# Altium PCB VALVEBOARD_Kun.PcbDoc (part 7 of 13) (continued)
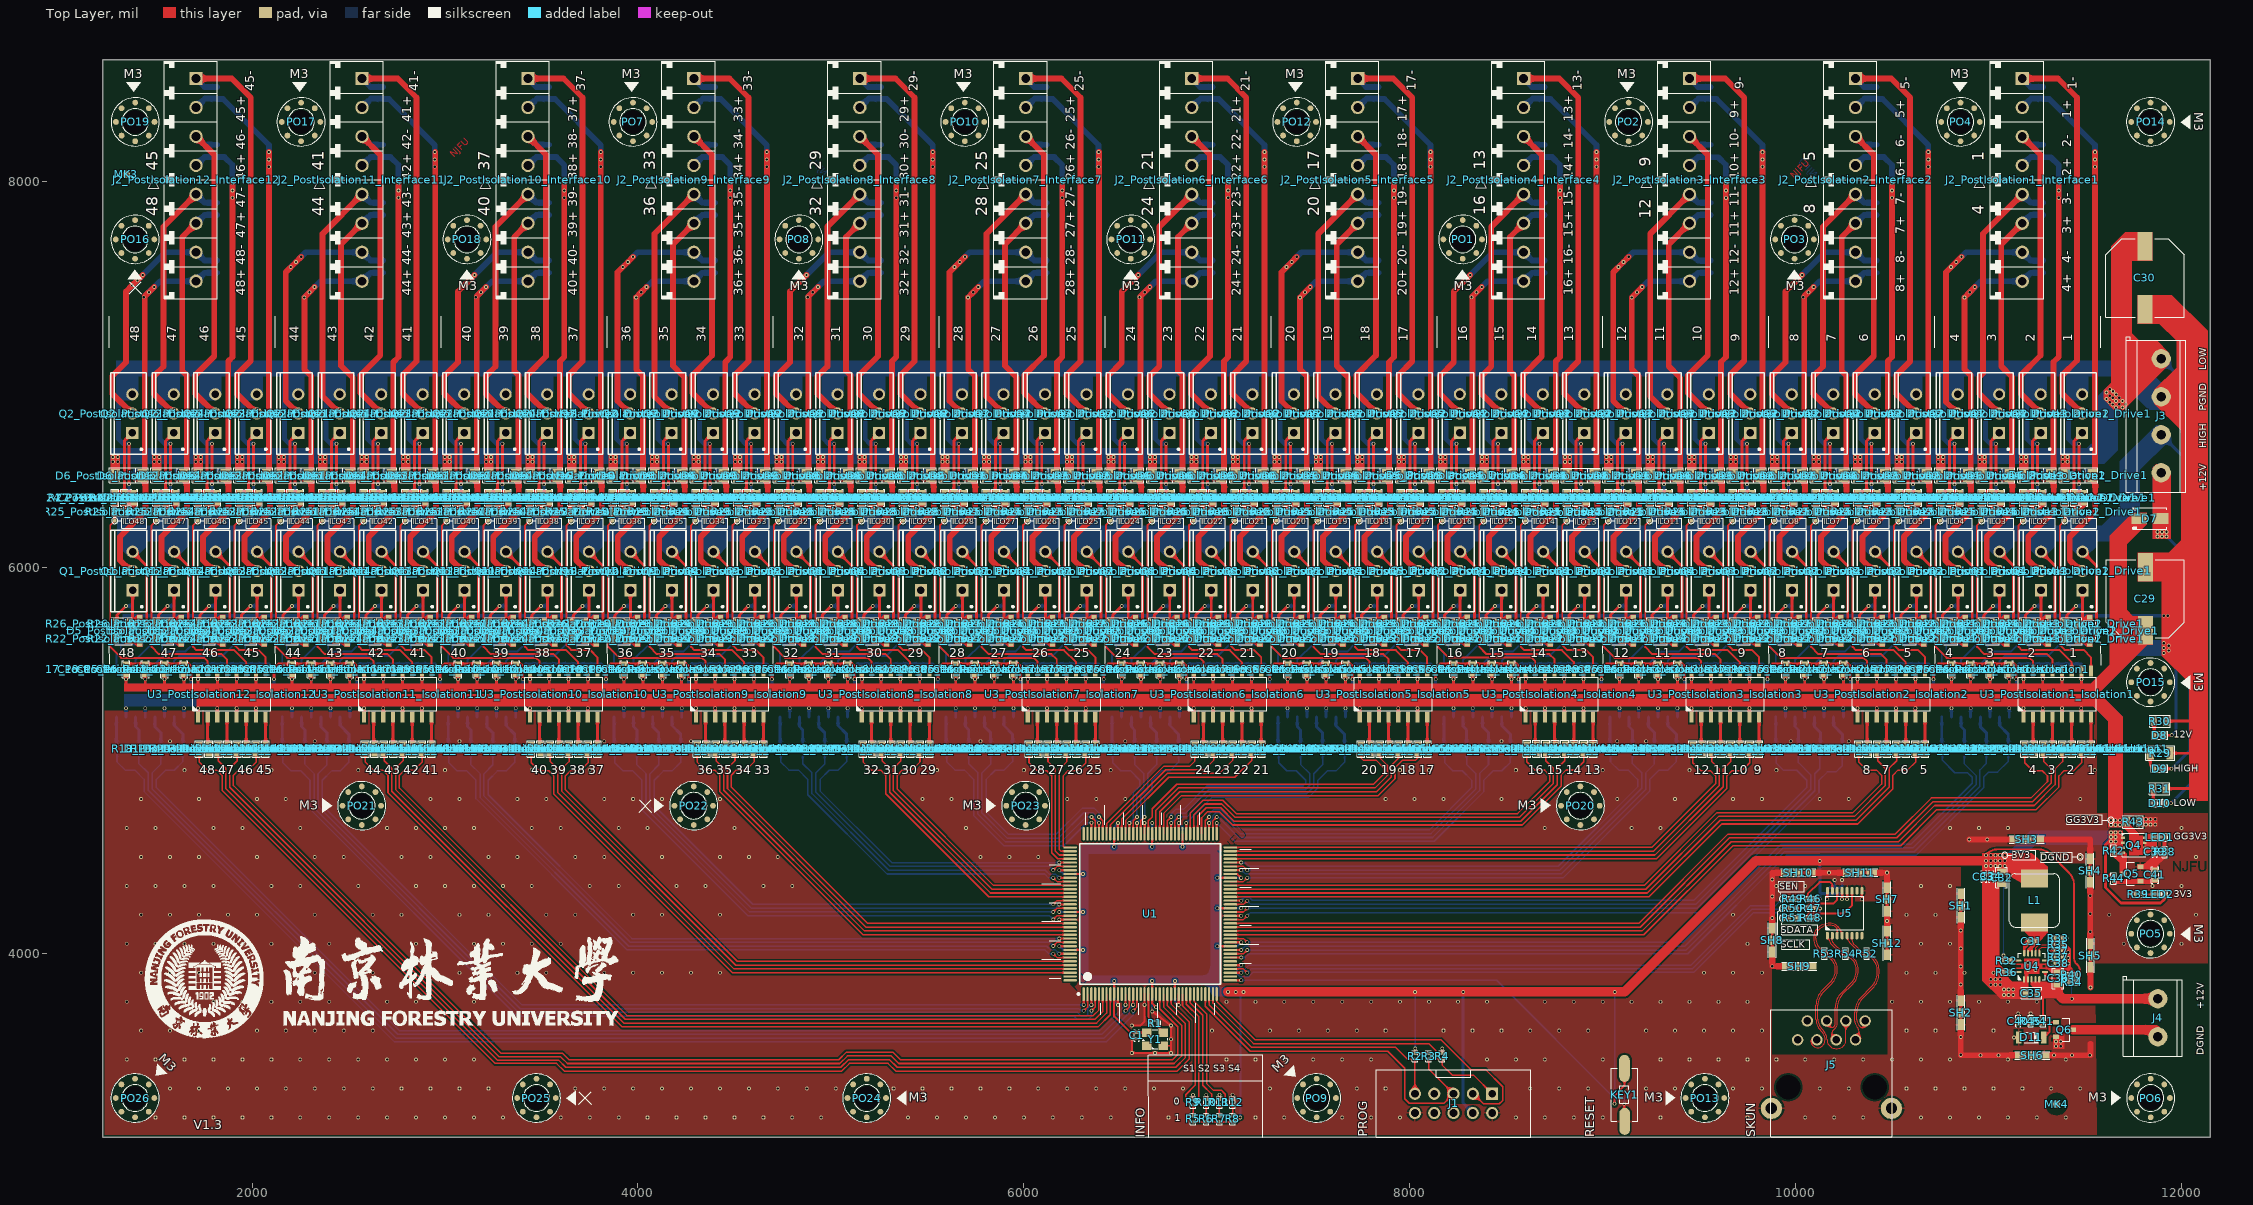
[diagram p0: Top Layer view]
## Nets (pads, with @x,y where several pads share a name; then routed paths per layer and width w, separated by ;. In a path a pad name is that pad's centre, name@x,y a point inside that pad or via, vN(x,y) a via of type N, cw(c..) or ccw(c..) an arc to the next point about the centre after c; other vN are vias at no path point) (continued)
LO2_1: R20_PostIsolation1_Isolation1.1 U1.50 | length 4759.1
  Top Layer w8: U1.50@7070.35,4116.42 9203.09,4116.42 9665.98,4579.3 10532.74,4579.3 10720.08,4766.64 11236.31,4766.64 11344.57,4874.9 11344.57,4955.91 11383.48,4994.81 R20_PostIsolation1_Isolation1.1@11383.48,5029.49
LO2_2: R20_PostIsolation2_Isolation2.1 U1.60 | length 3829.3
  Top Layer w8: U1.60@7070.35,4313.27 9231.52,4313.27 9608.74,4690.49 10313.43,4690.49 10484.48,4861.55 10484.48,4959.9 10523.39,4998.81 R20_PostIsolation2_Isolation2.1@10523.39,5033.49
LO2_3: R20_PostIsolation3_Isolation3.1 U1.70 | length 2882.4
  Top Layer w8: U1.70@7070.35,4510.12 9270.8,4510.12 9624.39,4863.71 9624.39,4955.93 9663.3,4994.83 R20_PostIsolation3_Isolation3.1@9663.3,5029.51
LO2_4: R20_PostIsolation4_Isolation4.1 U1.78 | length 2254.7
  Top Layer w8: U1.78@6901.06,4620.35 6901.06,4710.6 6945.27,4754.81 7020.13,4754.81 7089.62,4685.32 8575.35,4685.32 8764.42,4874.38 8764.42,4960.33 8803.32,4999.24 R20_PostIsolation4_Isolation4.1@8803.32,5033.91
LO2_5: R20_PostIsolation5_Isolation5.1 U1.88 | length 1522.9
  Top Layer w8: U1.88@6704.21,4620.35 6704.21,4733.93 6808.34,4838.06 7828.18,4838.06 7903.93,4913.82 7903.93,4974.45 7942.65,5013.17 R20_PostIsolation5_Isolation5.1@7942.65,5032.85
LO2_6: R20_PostIsolation6_Isolation6.1 U1.98 | length 809.1
  Top Layer w8: U1.98@6507.36,4620.35 6507.36,4697.35 6742.8,4932.79 7013.54,4932.79 7083.43,5002.68 R20_PostIsolation6_Isolation6.1@7083.43,5032.29
LO2_7: R20_PostIsolation7_Isolation7.1 U1.110 | length 567.3
  Top Layer w8: R20_PostIsolation7_Isolation7.1@6223.11,5029.49 6223.11,4994.81 6183.49,4955.2 6183.49,4538.17 6191.86,4529.8 U1.110@6239.65,4529.8
LO2_8: R20_PostIsolation8_Isolation8.1 U1.120 | length 1332.9
  Top Layer w8: R20_PostIsolation8_Isolation8.1@5363.08,5033.47 5363.08,4998.79 5324.17,4959.88 5324.17,4843.7 5834.92,4332.95 U1.120@6239.65,4332.95
LO2_9: R20_PostIsolation9_Isolation9.1 U1.130 | length 2268.2
  Top Layer w8: R20_PostIsolation9_Isolation9.1@4503.02,5033.47 4503.02,4998.79 4464.11,4959.88 4464.11,4854.47 5182.48,4136.1 U1.130@6239.65,4136.1
LO2_10: R20_PostIsolation10_Isolation10.1 U1.140 | length 3213.4
  Top Layer w8: R20_PostIsolation10_Isolation10.1@3642.92,5029.49 3642.92,4994.81 3604.02,4955.91 3604.02,4841.61 4506.38,3939.25 U1.140@6239.65,3939.25
LO2_11: R20_PostIsolation11_Isolation11.1 U1.6 | length 4465.9
  Top Layer w8: R20_PostIsolation11_Isolation11.1@2782.9,5033.47 2782.9,4998.79 2743.99,4959.89 2743.99,4849.1 3934.55,3658.53 6368.4,3658.53 6408.94,3699.07 U1.6@6408.94,3789.65
LO2_12: R20_PostIsolation12_Isolation12.1 U1.22 | length 6123.8
  Top Layer w8: R20_PostIsolation12_Isolation12.1@1922.84,5033.47 1922.84,4998.79 1883.93,4959.89 1883.93,4861.65 3280.42,3465.16 3598.48,3465.16 3634.14,3429.5 5046.03,3429.5 5085.61,3469.07 5312.47,3469.07 5352.05,3429.5 6778.64,3429.5 6817.67,3468.53 6817.67,3627.94 6723.9,3721.71 U1.22@6723.9,3789.65
LO3_1: R19_PostIsolation1_Isolation1.1 U1.51 | length 4729.6
  Top Layer w8: U1.51@7070.35,4136.1 9194.94,4136.1 9657.82,4598.99 10524.59,4598.99 10711.93,4786.33 11228.16,4786.33 11324.89,4883.05 11324.89,4955.48 11285.55,4994.81 R19_PostIsolation1_Isolation1.1@11285.55,5029.49 ; R19_PostIsolation1_Isolation1.1@11283.18,5030.18 R19_PostIsolation1_Isolation1.1@11285.29,5032.29
LO3_2: R19_PostIsolation2_Isolation2.1 U1.61 | length 3796.9
  Top Layer w8: U1.61@7070.35,4332.95 9223.36,4332.95 9600.58,4710.17 10305.27,4710.17 10464.8,4869.7 10464.8,4959.48 10425.46,4998.81 R19_PostIsolation2_Isolation2.1@10425.46,5033.49
LO3_3: R19_PostIsolation3_Isolation3.1 U1.71 | length 2850
  Top Layer w8: U1.71@7070.35,4529.8 9262.64,4529.8 9604.7,4871.86 9604.7,4955.5 9565.37,4994.83 R19_PostIsolation3_Isolation3.1@9565.37,5029.51
LO3_4: R19_PostIsolation4_Isolation4.1 U1.79 | length 2254.8
  Top Layer w8: U1.79@6881.38,4620.35 6881.38,4718.75 6937.12,4774.49 7025.53,4774.49 7095.02,4705 8567.2,4705 8744.73,4882.54 8744.73,4959.9 8705.4,4999.24 R19_PostIsolation4_Isolation4.1@8705.4,5033.91
LO3_5: R19_PostIsolation5_Isolation5.1 U1.89 | length 1523.1
  Top Layer w8: U1.89@6684.53,4620.35 6684.53,4742.09 6800.19,4857.75 7820.02,4857.75 7884.67,4922.4 7884.67,4974.45 7845.95,5013.17 R19_PostIsolation5_Isolation5.1@7845.95,5032.85
LO3_6: R19_PostIsolation6_Isolation6.1 U1.101 | length 751.1
  Top Layer w8: U1.101@6448.31,4620.35 6448.31,4665.41 6734.86,4951.96 6934.43,4951.96 6984.98,5002.51 R19_PostIsolation6_Isolation6.1@6984.98,5032.29
LO3_7: R19_PostIsolation7_Isolation7.1 U1.111 | length 599.6
  Top Layer w8: R19_PostIsolation7_Isolation7.1@6125.18,5029.49 6125.18,4994.81 6163.81,4956.19 6163.81,4530.01 6183.7,4510.12 U1.111@6239.65,4510.12
LO3_8: R19_PostIsolation8_Isolation8.1 U1.121 | length 1365.7
  Top Layer w8: R19_PostIsolation8_Isolation8.1@5265.15,5033.47 5265.15,4998.79 5304.49,4959.46 5304.49,4835.55 5826.77,4313.27 U1.121@6239.65,4313.27
LO3_9: R19_PostIsolation9_Isolation9.1 U1.131 | length 2301
  Top Layer w8: R19_PostIsolation9_Isolation9.1@4405.09,5033.47 4405.09,4998.79 4444.43,4959.46 4444.43,4846.31 5174.32,4116.42 U1.131@6239.65,4116.42
LO3_10: R19_PostIsolation10_Isolation10.1 U1.141 | length 3246.2
  Top Layer w8: R19_PostIsolation10_Isolation10.1@3545,5029.49 3545,4994.81 3584.33,4955.48 3584.33,4833.46 4498.23,3919.57 U1.141@6239.65,3919.57
LO3_11: R19_PostIsolation11_Isolation11.1 U1.7 | length 4531.4
  Top Layer w8: R19_PostIsolation11_Isolation11.1@2684.97,5033.47 2684.97,4998.79 2724.31,4959.46 2724.31,4840.94 3926.4,3638.85 6376.55,3638.85 6428.62,3690.92 U1.7@6428.62,3789.65
LO3_12: R19_PostIsolation12_Isolation12.1 U1.23 | length 6189.2
  Top Layer w8: R19_PostIsolation12_Isolation12.1@1824.91,5033.47 1824.91,4998.79 1864.25,4959.46 1864.25,4853.49 3270.31,3447.43 3588.37,3447.43 3625.99,3409.81 5051.41,3409.81 5090.99,3449.39 5304.32,3449.39 5343.9,3409.81 6786.79,3409.81 6837.36,3460.37 6837.36,3636.09 6743.58,3729.87 U1.23@6743.58,3789.65
LO4_1: R18_PostIsolation1_Isolation1.1 U1.52 | length 4754.5
  Top Layer w8: U1.52@7070.35,4155.79 9186.78,4155.79 9649.67,4618.67 10516.43,4618.67 10703.77,4806.01 11220.01,4806.01 11305.2,4891.21 11305.2,4919.68 11278.58,4946.3 11229.23,4946.3 11186.94,4988.59 R18_PostIsolation1_Isolation1.1@11186.94,5028.31
LO4_2: R18_PostIsolation2_Isolation2.1 U1.62 | length 3824.7
  Top Layer w8: U1.62@7070.35,4352.64 9215.21,4352.64 9592.43,4729.86 10297.12,4729.86 10445.11,4877.85 10445.11,4923.68 10418.49,4950.3 10369.15,4950.3 10326.85,4992.59 R18_PostIsolation2_Isolation2.1@10326.85,5032.31
LO4_3: R18_PostIsolation3_Isolation3.1 U1.72 | length 2877.8
  Top Layer w8: U1.72@7070.35,4549.49 9254.49,4549.49 9585.02,4880.02 9585.02,4919.7 9558.4,4946.32 9509.05,4946.32 9466.76,4988.61 R18_PostIsolation3_Isolation3.1@9466.76,5028.33
LO4_4: R18_PostIsolation4_Isolation4.1 U1.80 | length 2315.3
  Top Layer w8: U1.80@6861.69,4620.35 6861.69,4726.91 6928.97,4794.18 7031.03,4794.18 7100.52,4724.69 8559.04,4724.69 8725.05,4890.69 8725.05,4924.1 8698.43,4950.72 8649.08,4950.72 8606.79,4993.02 R18_PostIsolation4_Isolation4.1@8606.79,5032.74
LO4_5: R18_PostIsolation5_Isolation5.1 U1.91 | length 1602.2
  Top Layer w8: U1.91@6645.16,4620.35 6645.16,4687.8 6664.83,4707.46 6664.83,4750.25 6792.03,4877.45 7811.86,4877.45 7864.99,4930.57 7864.99,4962.31 7827.03,5000.26 7760.06,5000.26 7747.16,5013.17 R18_PostIsolation5_Isolation5.1@7747.16,5031.86
LO4_6: R18_PostIsolation6_Isolation6.1 U1.102 | length 679.8
  Top Layer w8: U1.102@6428.62,4620.35 6428.62,4672.6 6469.18,4713.16 6726.98,4970.96 6860.43,4970.96 6886.66,4997.2 R18_PostIsolation6_Isolation6.1@6886.66,5032.29
LO4_7: R18_PostIsolation7_Isolation7.1 U1.112 | length 692.6
  Top Layer w8: R18_PostIsolation7_Isolation7.1@6026.57,5028.31 6026.57,4988.59 6068.86,4946.3 6118.21,4946.3 6144.12,4920.39 6144.12,4521.86 6175.55,4490.43 U1.112@6239.65,4490.43
LO4_8: R18_PostIsolation8_Isolation8.1 U1.122 | length 1458.7
  Top Layer w8: R18_PostIsolation8_Isolation8.1@5166.54,5032.29 5166.54,4992.57 5208.84,4950.28 5258.18,4950.28 5284.8,4923.66 5284.8,4827.4 5818.62,4293.58 U1.122@6239.65,4293.58
LO4_9: R18_PostIsolation9_Isolation9.1 U1.132 | length 2394
  Top Layer w8: R18_PostIsolation9_Isolation9.1@4306.48,5032.29 4306.48,4992.57 4348.78,4950.28 4398.12,4950.28 4424.74,4923.66 4424.74,4838.16 5166.17,4096.73 U1.132@6239.65,4096.73
LO4_10: R18_PostIsolation10_Isolation10.1 U1.142 | length 3339.2
  Top Layer w8: R18_PostIsolation10_Isolation10.1@3446.39,5028.31 3446.39,4988.59 3488.68,4946.3 3538.03,4946.3 3564.65,4919.68 3564.65,4825.31 4490.07,3899.88 U1.142@6239.65,3899.88
LO4_11: R18_PostIsolation11_Isolation11.1 U1.8 | length 4657
  Top Layer w8: R18_PostIsolation11_Isolation11.1@2586.36,5032.29 2586.36,4992.57 2628.65,4950.28 2678,4950.28 2704.62,4923.66 2704.62,4832.79 3918.25,3619.16 6384.7,3619.16 6448.31,3682.77 U1.8@6448.31,3789.65
LO4_12: R18_PostIsolation12_Isolation12.1 U1.24 | length 6314.9
  Top Layer w8: R18_PostIsolation12_Isolation12.1@1726.3,5032.29 1726.3,4992.57 1768.59,4950.28 1817.94,4950.28 1844.56,4923.66 1844.56,4845.34 3260.2,3429.7 3578.26,3429.7 3617.83,3390.13 5056.8,3390.13 5096.38,3429.7 5296.16,3429.7 5335.74,3390.13 6794.95,3390.13 6857.04,3452.22 6857.04,3644.24 6763.27,3738.02 U1.24@6763.27,3789.65
NetC27_PostIsolation1_Drive1_2: C27_PostIsolation1_Drive1.2 Q2_PostIsolation1_Drive1.1 R24_PostIsolation1_Drive1.2 R27_PostIsolation1_Drive1.2 | length 355.4
  Top Layer w15: R27_PostIsolation1_Drive1.2@11442.54,6386.11 11442.54,6655.54 Q2_PostIsolation1_Drive1.1@11484.95,6697.95 ; 11469.55,6393.71 11489.43,6393.71 C27_PostIsolation1_Drive1.2@11493.74,6389.4
NetC27_PostIsolation1_Drive2_2: C27_PostIsolation1_Drive2.2 Q2_PostIsolation1_Drive2.1 R24_PostIsolation1_Drive2.2 R27_PostIsolation1_Drive2.2 | length 355.4
  Top Layer w15: R27_PostIsolation1_Drive2.2@11227.53,6385.98 11227.53,6655.41 Q2_PostIsolation1_Drive2.1@11269.94,6697.82 ; 11254.55,6393.58 11274.42,6393.58 C27_PostIsolation1_Drive2.2@11278.73,6389.27
NetC27_PostIsolation1_Drive3_2: C27_PostIsolation1_Drive3.2 Q2_PostIsolation1_Drive3.1 R24_PostIsolation1_Drive3.2 R27_PostIsolation1_Drive3.2 | length 355.4
  Top Layer w15: R27_PostIsolation1_Drive3.2@11012.38,6385.98 11012.38,6655.41 Q2_PostIsolation1_Drive3.1@11054.79,6697.82 ; 11039.4,6393.58 11059.27,6393.58 C27_PostIsolation1_Drive3.2@11063.58,6389.27
NetC27_PostIsolation1_Drive4_2: C27_PostIsolation1_Drive4.2 Q2_PostIsolation1_Drive4.1 R24_PostIsolation1_Drive4.2 R27_PostIsolation1_Drive4.2 | length 355.4
  Top Layer w15: R27_PostIsolation1_Drive4.2@10797.6,6385.98 10797.6,6655.41 Q2_PostIsolation1_Drive4.1@10840.01,6697.82 ; 10824.62,6393.58 10844.49,6393.58 C27_PostIsolation1_Drive4.2@10848.8,6389.27
NetC27_PostIsolation2_Drive1_2: C27_PostIsolation2_Drive1.2 Q2_PostIsolation2_Drive1.1 R24_PostIsolation2_Drive1.2 R27_PostIsolation2_Drive1.2 | length 355.4
  Top Layer w15: R27_PostIsolation2_Drive1.2@10582.48,6385.98 10582.48,6655.41 Q2_PostIsolation2_Drive1.1@10624.89,6697.82 ; 10609.5,6393.58 10629.37,6393.58 C27_PostIsolation2_Drive1.2@10633.68,6389.27
NetC27_PostIsolation2_Drive2_2: C27_PostIsolation2_Drive2.2 Q2_PostIsolation2_Drive2.1 R24_PostIsolation2_Drive2.2 R27_PostIsolation2_Drive2.2 | length 355.4
  Top Layer w15: R27_PostIsolation2_Drive2.2@10367.47,6385.98 10367.47,6655.41 Q2_PostIsolation2_Drive2.1@10409.88,6697.82 ; 10394.48,6393.58 10414.35,6393.58 C27_PostIsolation2_Drive2.2@10418.67,6389.27
NetC27_PostIsolation2_Drive3_2: C27_PostIsolation2_Drive3.2 Q2_PostIsolation2_Drive3.1 R24_PostIsolation2_Drive3.2 R27_PostIsolation2_Drive3.2 | length 355.4
  Top Layer w15: R27_PostIsolation2_Drive3.2@10152.45,6385.98 10152.45,6655.41 Q2_PostIsolation2_Drive3.1@10194.86,6697.82 ; 10179.47,6393.58 10199.34,6393.58 C27_PostIsolation2_Drive3.2@10203.65,6389.27
NetC27_PostIsolation2_Drive4_2: C27_PostIsolation2_Drive4.2 Q2_PostIsolation2_Drive4.1 R24_PostIsolation2_Drive4.2 R27_PostIsolation2_Drive4.2 | length 355.4
  Top Layer w15: R27_PostIsolation2_Drive4.2@9937.44,6385.98 9937.44,6655.41 Q2_PostIsolation2_Drive4.1@9979.85,6697.82 ; 9964.45,6393.58 9984.32,6393.58 C27_PostIsolation2_Drive4.2@9988.64,6389.27
NetC27_PostIsolation3_Drive1_2: C27_PostIsolation3_Drive1.2 Q2_PostIsolation3_Drive1.1 R24_PostIsolation3_Drive1.2 R27_PostIsolation3_Drive1.2 | length 355.4
  Top Layer w15: R27_PostIsolation3_Drive1.2@9722.42,6385.98 9722.42,6655.41 Q2_PostIsolation3_Drive1.1@9764.83,6697.82 ; 9749.44,6393.58 9769.31,6393.58 C27_PostIsolation3_Drive1.2@9773.62,6389.27
NetC27_PostIsolation3_Drive2_2: C27_PostIsolation3_Drive2.2 Q2_PostIsolation3_Drive2.1 R24_PostIsolation3_Drive2.2 R27_PostIsolation3_Drive2.2 | length 355.4
  Top Layer w15: R27_PostIsolation3_Drive2.2@9507.41,6385.98 9507.41,6655.41 Q2_PostIsolation3_Drive2.1@9549.82,6697.82 ; 9534.42,6393.58 9554.29,6393.58 C27_PostIsolation3_Drive2.2@9558.6,6389.27
NetC27_PostIsolation3_Drive3_2: C27_PostIsolation3_Drive3.2 Q2_PostIsolation3_Drive3.1 R24_PostIsolation3_Drive3.2 R27_PostIsolation3_Drive3.2 | length 355.4
  Top Layer w15: R27_PostIsolation3_Drive3.2@9292.39,6385.98 9292.39,6655.41 Q2_PostIsolation3_Drive3.1@9334.8,6697.82 ; 9319.41,6393.58 9339.28,6393.58 C27_PostIsolation3_Drive3.2@9343.59,6389.27
NetC27_PostIsolation3_Drive4_2: C27_PostIsolation3_Drive4.2 Q2_PostIsolation3_Drive4.1 R24_PostIsolation3_Drive4.2 R27_PostIsolation3_Drive4.2 | length 355.4
  Top Layer w15: R27_PostIsolation3_Drive4.2@9077.38,6385.98 9077.38,6655.41 Q2_PostIsolation3_Drive4.1@9119.79,6697.82 ; 9104.39,6393.58 9124.26,6393.58 C27_PostIsolation3_Drive4.2@9128.57,6389.27
NetC27_PostIsolation4_Drive1_2: C27_PostIsolation4_Drive1.2 Q2_PostIsolation4_Drive1.1 R24_PostIsolation4_Drive1.2 R27_PostIsolation4_Drive1.2 | length 355.4
  Top Layer w15: R27_PostIsolation4_Drive1.2@8862.36,6385.85 8862.36,6655.28 Q2_PostIsolation4_Drive1.1@8904.77,6697.69 ; 8889.38,6393.45 8909.25,6393.45 C27_PostIsolation4_Drive1.2@8913.56,6389.14
NetC27_PostIsolation4_Drive2_2: C27_PostIsolation4_Drive2.2 Q2_PostIsolation4_Drive2.1 R24_PostIsolation4_Drive2.2 R27_PostIsolation4_Drive2.2 | length 355.4
  Top Layer w15: R27_PostIsolation4_Drive2.2@8647.34,6385.98 8647.34,6655.41 Q2_PostIsolation4_Drive2.1@8689.76,6697.82 ; 8674.36,6393.58 8694.23,6393.58 C27_PostIsolation4_Drive2.2@8698.54,6389.27
NetC27_PostIsolation4_Drive3_2: C27_PostIsolation4_Drive3.2 Q2_PostIsolation4_Drive3.1 R24_PostIsolation4_Drive3.2 R27_PostIsolation4_Drive3.2 | length 329.4
  Top Layer w15: R27_PostIsolation4_Drive3.2@8432.33,6385.98 8432.33,6655.41 Q2_PostIsolation4_Drive3.1@8474.74,6697.82
NetC27_PostIsolation4_Drive4_2: C27_PostIsolation4_Drive4.2 Q2_PostIsolation4_Drive4.1 R24_PostIsolation4_Drive4.2 R27_PostIsolation4_Drive4.2 | length 355.4
  Top Layer w15: R27_PostIsolation4_Drive4.2@8217.31,6386.43 8217.31,6655.85 Q2_PostIsolation4_Drive4.1@8259.72,6698.26 ; 8244.33,6394.02 8264.2,6394.02 C27_PostIsolation4_Drive4.2@8268.51,6389.71
NetC27_PostIsolation5_Drive1_2: C27_PostIsolation5_Drive1.2 Q2_PostIsolation5_Drive1.1 R24_PostIsolation5_Drive1.2 R27_PostIsolation5_Drive1.2 | length 355.4
  Top Layer w15: R27_PostIsolation5_Drive1.2@8002.3,6385.98 8002.3,6655.41 Q2_PostIsolation5_Drive1.1@8044.71,6697.82 ; 8029.32,6393.58 8049.19,6393.58 C27_PostIsolation5_Drive1.2@8053.5,6389.27
NetC27_PostIsolation5_Drive2_2: C27_PostIsolation5_Drive2.2 Q2_PostIsolation5_Drive2.1 R24_PostIsolation5_Drive2.2 R27_PostIsolation5_Drive2.2 | length 355.4
  Top Layer w15: R27_PostIsolation5_Drive2.2@7787.28,6385.98 7787.28,6655.41 Q2_PostIsolation5_Drive2.1@7829.69,6697.82 ; 7814.3,6393.58 7834.17,6393.58 C27_PostIsolation5_Drive2.2@7838.48,6389.27
NetC27_PostIsolation5_Drive3_2: C27_PostIsolation5_Drive3.2 Q2_PostIsolation5_Drive3.1 R24_PostIsolation5_Drive3.2 R27_PostIsolation5_Drive3.2 | length 329.4
  Top Layer w15: R27_PostIsolation5_Drive3.2@7572.27,6385.98 7572.27,6655.41 Q2_PostIsolation5_Drive3.1@7614.68,6697.82
NetC27_PostIsolation5_Drive4_2: C27_PostIsolation5_Drive4.2 Q2_PostIsolation5_Drive4.1 R24_PostIsolation5_Drive4.2 R27_PostIsolation5_Drive4.2 | length 355.4
  Top Layer w15: R27_PostIsolation5_Drive4.2@7357.25,6385.98 7357.25,6655.41 Q2_PostIsolation5_Drive4.1@7399.66,6697.82 ; 7384.27,6393.58 7404.14,6393.58 C27_PostIsolation5_Drive4.2@7408.45,6389.27
NetC27_PostIsolation6_Drive1_2: C27_PostIsolation6_Drive1.2 Q2_PostIsolation6_Drive1.1 R24_PostIsolation6_Drive1.2 R27_PostIsolation6_Drive1.2 | length 355.4
  Top Layer w15: R27_PostIsolation6_Drive1.2@7142.24,6385.98 7142.24,6655.41 Q2_PostIsolation6_Drive1.1@7184.65,6697.82 ; 7169.25,6393.58 7189.13,6393.58 C27_PostIsolation6_Drive1.2@7193.44,6389.27
NetC27_PostIsolation6_Drive2_2: C27_PostIsolation6_Drive2.2 Q2_PostIsolation6_Drive2.1 R24_PostIsolation6_Drive2.2 R27_PostIsolation6_Drive2.2 | length 355.4
  Top Layer w15: R27_PostIsolation6_Drive2.2@6927.22,6385.98 6927.22,6655.41 Q2_PostIsolation6_Drive2.1@6969.63,6697.82 ; 6954.24,6393.58 6974.11,6393.58 C27_PostIsolation6_Drive2.2@6978.42,6389.27
NetC27_PostIsolation6_Drive3_2: C27_PostIsolation6_Drive3.2 Q2_PostIsolation6_Drive3.1 R24_PostIsolation6_Drive3.2 R27_PostIsolation6_Drive3.2 | length 355.4
  Top Layer w15: R27_PostIsolation6_Drive3.2@6712.21,6385.98 6712.21,6655.41 Q2_PostIsolation6_Drive3.1@6754.62,6697.82 ; 6739.22,6393.58 6759.1,6393.58 C27_PostIsolation6_Drive3.2@6763.41,6389.27
NetC27_PostIsolation6_Drive4_2: C27_PostIsolation6_Drive4.2 Q2_PostIsolation6_Drive4.1 R24_PostIsolation6_Drive4.2 R27_PostIsolation6_Drive4.2 | length 355.4
  Top Layer w15: R27_PostIsolation6_Drive4.2@6497.19,6385.98 6497.19,6655.41 Q2_PostIsolation6_Drive4.1@6539.6,6697.82 ; 6524.21,6393.58 6544.08,6393.58 C27_PostIsolation6_Drive4.2@6548.39,6389.27
NetC27_PostIsolation7_Drive1_2: C27_PostIsolation7_Drive1.2 Q2_PostIsolation7_Drive1.1 R24_PostIsolation7_Drive1.2 R27_PostIsolation7_Drive1.2 | length 329.4
  Top Layer w15: R27_PostIsolation7_Drive1.2@6282.18,6385.98 6282.18,6655.41 Q2_PostIsolation7_Drive1.1@6324.59,6697.82
NetC27_PostIsolation7_Drive2_2: C27_PostIsolation7_Drive2.2 Q2_PostIsolation7_Drive2.1 R24_PostIsolation7_Drive2.2 R27_PostIsolation7_Drive2.2 | length 355.4
  Top Layer w15: R27_PostIsolation7_Drive2.2@6067.16,6385.98 6067.16,6655.41 Q2_PostIsolation7_Drive2.1@6109.57,6697.82 ; 6094.18,6393.58 6114.05,6393.58 C27_PostIsolation7_Drive2.2@6118.36,6389.27
NetC27_PostIsolation7_Drive3_2: C27_PostIsolation7_Drive3.2 Q2_PostIsolation7_Drive3.1 R24_PostIsolation7_Drive3.2 R27_PostIsolation7_Drive3.2 | length 355.4
  Top Layer w15: R27_PostIsolation7_Drive3.2@5852.15,6385.98 5852.15,6655.41 Q2_PostIsolation7_Drive3.1@5894.56,6697.82 ; 5879.16,6393.58 5899.04,6393.58 C27_PostIsolation7_Drive3.2@5903.35,6389.27
NetC27_PostIsolation7_Drive4_2: C27_PostIsolation7_Drive4.2 Q2_PostIsolation7_Drive4.1 R24_PostIsolation7_Drive4.2 R27_PostIsolation7_Drive4.2 | length 355.4
  Top Layer w15: R27_PostIsolation7_Drive4.2@5637.13,6385.98 5637.13,6655.41 Q2_PostIsolation7_Drive4.1@5679.54,6697.82 ; 5664.15,6393.58 5684.02,6393.58 C27_PostIsolation7_Drive4.2@5688.33,6389.27
NetC27_PostIsolation8_Drive1_2: C27_PostIsolation8_Drive1.2 Q2_PostIsolation8_Drive1.1 R24_PostIsolation8_Drive1.2 R27_PostIsolation8_Drive1.2 | length 355.4
  Top Layer w15: R27_PostIsolation8_Drive1.2@5422.12,6385.98 5422.12,6655.41 Q2_PostIsolation8_Drive1.1@5464.53,6697.82 ; 5449.13,6393.58 5469.01,6393.58 C27_PostIsolation8_Drive1.2@5473.32,6389.27
NetC27_PostIsolation8_Drive2_2: C27_PostIsolation8_Drive2.2 Q2_PostIsolation8_Drive2.1 R24_PostIsolation8_Drive2.2 R27_PostIsolation8_Drive2.2 | length 355.4
  Top Layer w15: R27_PostIsolation8_Drive2.2@5207.1,6385.98 5207.1,6655.41 Q2_PostIsolation8_Drive2.1@5249.51,6697.82 ; 5234.12,6393.58 5253.99,6393.58 C27_PostIsolation8_Drive2.2@5258.3,6389.27
NetC27_PostIsolation8_Drive3_2: C27_PostIsolation8_Drive3.2 Q2_PostIsolation8_Drive3.1 R24_PostIsolation8_Drive3.2 R27_PostIsolation8_Drive3.2 | length 355.4
  Top Layer w15: R27_PostIsolation8_Drive3.2@4992.09,6385.98 4992.09,6655.41 Q2_PostIsolation8_Drive3.1@5034.5,6697.82 ; 5019.1,6393.58 5038.97,6393.58 C27_PostIsolation8_Drive3.2@5043.29,6389.27
NetC27_PostIsolation8_Drive4_2: C27_PostIsolation8_Drive4.2 Q2_PostIsolation8_Drive4.1 R24_PostIsolation8_Drive4.2 R27_PostIsolation8_Drive4.2 | length 355.4
  Top Layer w15: R27_PostIsolation8_Drive4.2@4777.07,6385.98 4777.07,6655.41 Q2_PostIsolation8_Drive4.1@4819.48,6697.82 ; 4804.09,6393.58 4823.96,6393.58 C27_PostIsolation8_Drive4.2@4828.27,6389.27
NetC27_PostIsolation9_Drive1_2: C27_PostIsolation9_Drive1.2 Q2_PostIsolation9_Drive1.1 R24_PostIsolation9_Drive1.2 R27_PostIsolation9_Drive1.2 | length 355.4
  Top Layer w15: R27_PostIsolation9_Drive1.2@4562.06,6385.98 4562.06,6655.41 Q2_PostIsolation9_Drive1.1@4604.47,6697.82 ; 4589.07,6393.58 4608.94,6393.58 C27_PostIsolation9_Drive1.2@4613.26,6389.27
NetC27_PostIsolation9_Drive2_2: C27_PostIsolation9_Drive2.2 Q2_PostIsolation9_Drive2.1 R24_PostIsolation9_Drive2.2 R27_PostIsolation9_Drive2.2 | length 355.4
  Top Layer w15: R27_PostIsolation9_Drive2.2@4347.04,6385.98 4347.04,6655.41 Q2_PostIsolation9_Drive2.1@4389.45,6697.82 ; 4374.06,6393.58 4393.93,6393.58 C27_PostIsolation9_Drive2.2@4398.24,6389.27
NetC27_PostIsolation9_Drive3_2: C27_PostIsolation9_Drive3.2 Q2_PostIsolation9_Drive3.1 R24_PostIsolation9_Drive3.2 R27_PostIsolation9_Drive3.2 | length 355.4
  Top Layer w15: R27_PostIsolation9_Drive3.2@4132.03,6385.98 4132.03,6655.41 Q2_PostIsolation9_Drive3.1@4174.44,6697.82 ; 4159.04,6393.58 4178.91,6393.58 C27_PostIsolation9_Drive3.2@4183.23,6389.27
NetC27_PostIsolation9_Drive4_2: C27_PostIsolation9_Drive4.2 Q2_PostIsolation9_Drive4.1 R24_PostIsolation9_Drive4.2 R27_PostIsolation9_Drive4.2 | length 355.4
  Top Layer w15: R27_PostIsolation9_Drive4.2@3917.01,6385.98 3917.01,6655.41 Q2_PostIsolation9_Drive4.1@3959.42,6697.82 ; 3944.03,6393.58 3963.9,6393.58 C27_PostIsolation9_Drive4.2@3968.21,6389.27
NetC27_PostIsolation10_Drive1_2: C27_PostIsolation10_Drive1.2 Q2_PostIsolation10_Drive1.1 R24_PostIsolation10_Drive1.2 R27_PostIsolation10_Drive1.2 | length 355.4
  Top Layer w15: R27_PostIsolation10_Drive1.2@3702,6385.98 3702,6655.41 Q2_PostIsolation10_Drive1.1@3744.41,6697.82 ; 3729.01,6393.58 3748.88,6393.58 C27_PostIsolation10_Drive1.2@3753.19,6389.27
NetC27_PostIsolation10_Drive2_2: C27_PostIsolation10_Drive2.2 Q2_PostIsolation10_Drive2.1 R24_PostIsolation10_Drive2.2 R27_PostIsolation10_Drive2.2 | length 355.4
  Top Layer w15: R27_PostIsolation10_Drive2.2@3486.98,6385.98 3486.98,6655.41 Q2_PostIsolation10_Drive2.1@3529.39,6697.82 ; 3514,6393.58 3533.87,6393.58 C27_PostIsolation10_Drive2.2@3538.18,6389.27
NetC27_PostIsolation10_Drive3_2: C27_PostIsolation10_Drive3.2 Q2_PostIsolation10_Drive3.1 R24_PostIsolation10_Drive3.2 R27_PostIsolation10_Drive3.2 | length 355.4
  Top Layer w15: R27_PostIsolation10_Drive3.2@3271.96,6385.98 3271.96,6655.41 Q2_PostIsolation10_Drive3.1@3314.38,6697.82 ; 3298.98,6393.58 3318.85,6393.58 C27_PostIsolation10_Drive3.2@3323.16,6389.27
NetC27_PostIsolation10_Drive4_2: C27_PostIsolation10_Drive4.2 Q2_PostIsolation10_Drive4.1 R24_PostIsolation10_Drive4.2 R27_PostIsolation10_Drive4.2 | length 355.4
  Top Layer w15: R27_PostIsolation10_Drive4.2@3056.95,6385.98 3056.95,6655.41 Q2_PostIsolation10_Drive4.1@3099.36,6697.82 ; 3083.97,6393.58 3103.84,6393.58 C27_PostIsolation10_Drive4.2@3108.15,6389.27
NetC27_PostIsolation11_Drive1_2: C27_PostIsolation11_Drive1.2 Q2_PostIsolation11_Drive1.1 R24_PostIsolation11_Drive1.2 R27_PostIsolation11_Drive1.2 | length 355.4
  Top Layer w15: R27_PostIsolation11_Drive1.2@2841.93,6385.98 2841.93,6655.41 Q2_PostIsolation11_Drive1.1@2884.34,6697.82 ; 2868.95,6393.58 2888.82,6393.58 C27_PostIsolation11_Drive1.2@2893.13,6389.27
NetC27_PostIsolation11_Drive2_2: C27_PostIsolation11_Drive2.2 Q2_PostIsolation11_Drive2.1 R24_PostIsolation11_Drive2.2 R27_PostIsolation11_Drive2.2 | length 355.4
  Top Layer w15: R27_PostIsolation11_Drive2.2@2626.92,6385.98 2626.92,6655.41 Q2_PostIsolation11_Drive2.1@2669.33,6697.82 ; 2653.94,6393.58 2673.81,6393.58 C27_PostIsolation11_Drive2.2@2678.12,6389.27
NetC27_PostIsolation11_Drive3_2: C27_PostIsolation11_Drive3.2 Q2_PostIsolation11_Drive3.1 R24_PostIsolation11_Drive3.2 R27_PostIsolation11_Drive3.2 | length 355.4
  Top Layer w15: R27_PostIsolation11_Drive3.2@2411.9,6385.98 2411.9,6655.41 Q2_PostIsolation11_Drive3.1@2454.31,6697.82 ; 2438.92,6393.58 2458.79,6393.58 C27_PostIsolation11_Drive3.2@2463.1,6389.27
NetC27_PostIsolation11_Drive4_2: C27_PostIsolation11_Drive4.2 Q2_PostIsolation11_Drive4.1 R24_PostIsolation11_Drive4.2 R27_PostIsolation11_Drive4.2 | length 355.4
  Top Layer w15: R27_PostIsolation11_Drive4.2@2196.89,6385.98 2196.89,6655.41 Q2_PostIsolation11_Drive4.1@2239.3,6697.82 ; 2223.91,6393.58 2243.78,6393.58 C27_PostIsolation11_Drive4.2@2248.09,6389.27
NetC27_PostIsolation12_Drive1_2: C27_PostIsolation12_Drive1.2 Q2_PostIsolation12_Drive1.1 R24_PostIsolation12_Drive1.2 R27_PostIsolation12_Drive1.2 | length 355.4
  Top Layer w15: R27_PostIsolation12_Drive1.2@1981.87,6385.98 1981.87,6655.41 Q2_PostIsolation12_Drive1.1@2024.28,6697.82 ; 2008.89,6393.58 2028.76,6393.58 C27_PostIsolation12_Drive1.2@2033.07,6389.27
NetC27_PostIsolation12_Drive2_2: C27_PostIsolation12_Drive2.2 Q2_PostIsolation12_Drive2.1 R24_PostIsolation12_Drive2.2 R27_PostIsolation12_Drive2.2 | length 355.4
  Top Layer w15: R27_PostIsolation12_Drive2.2@1766.86,6385.98 1766.86,6655.41 Q2_PostIsolation12_Drive2.1@1809.27,6697.82 ; 1793.87,6393.58 1813.75,6393.58 C27_PostIsolation12_Drive2.2@1818.06,6389.27
NetC27_PostIsolation12_Drive3_2: C27_PostIsolation12_Drive3.2 Q2_PostIsolation12_Drive3.1 R24_PostIsolation12_Drive3.2 R27_PostIsolation12_Drive3.2 | length 355.4
  Top Layer w15: R27_PostIsolation12_Drive3.2@1551.84,6385.98 1551.84,6655.41 Q2_PostIsolation12_Drive3.1@1594.25,6697.82 ; 1578.86,6393.58 1598.73,6393.58 C27_PostIsolation12_Drive3.2@1603.04,6389.27
NetC27_PostIsolation12_Drive4_2: C27_PostIsolation12_Drive4.2 Q2_PostIsolation12_Drive4.1 R24_PostIsolation12_Drive4.2 R27_PostIsolation12_Drive4.2 | length 351.3
  Top Layer w15: R27_PostIsolation12_Drive4.2@1338.85,6389.27 1338.85,6657.43 Q2_PostIsolation12_Drive4.1@1379.24,6697.82 ; 1363.84,6393.58 1383.72,6393.58 C27_PostIsolation12_Drive4.2@1388.03,6389.27
NetC31_1: C31.1 U4.13
NetC31_2: C31.2 L1.1 U4.11 U4.12
NetC37_2: C37.2 U4.9 | length 112
  Top Layer w5: U4.9@11263.74,4000.86 11263.74,4020.55 11274.4,4031.2 11302.76,4031.2 11320.52,4013.45 C37.2@11344.3,4013.45
NetC38_2: C38.2 R37.1 | length 45.3
  Top Layer w5: C38.2@11344.3,3948.46 R37.1@11375.8,3980.95